# KiCad board 2025_bsides_badge_v1.kicad_pcb (continued)
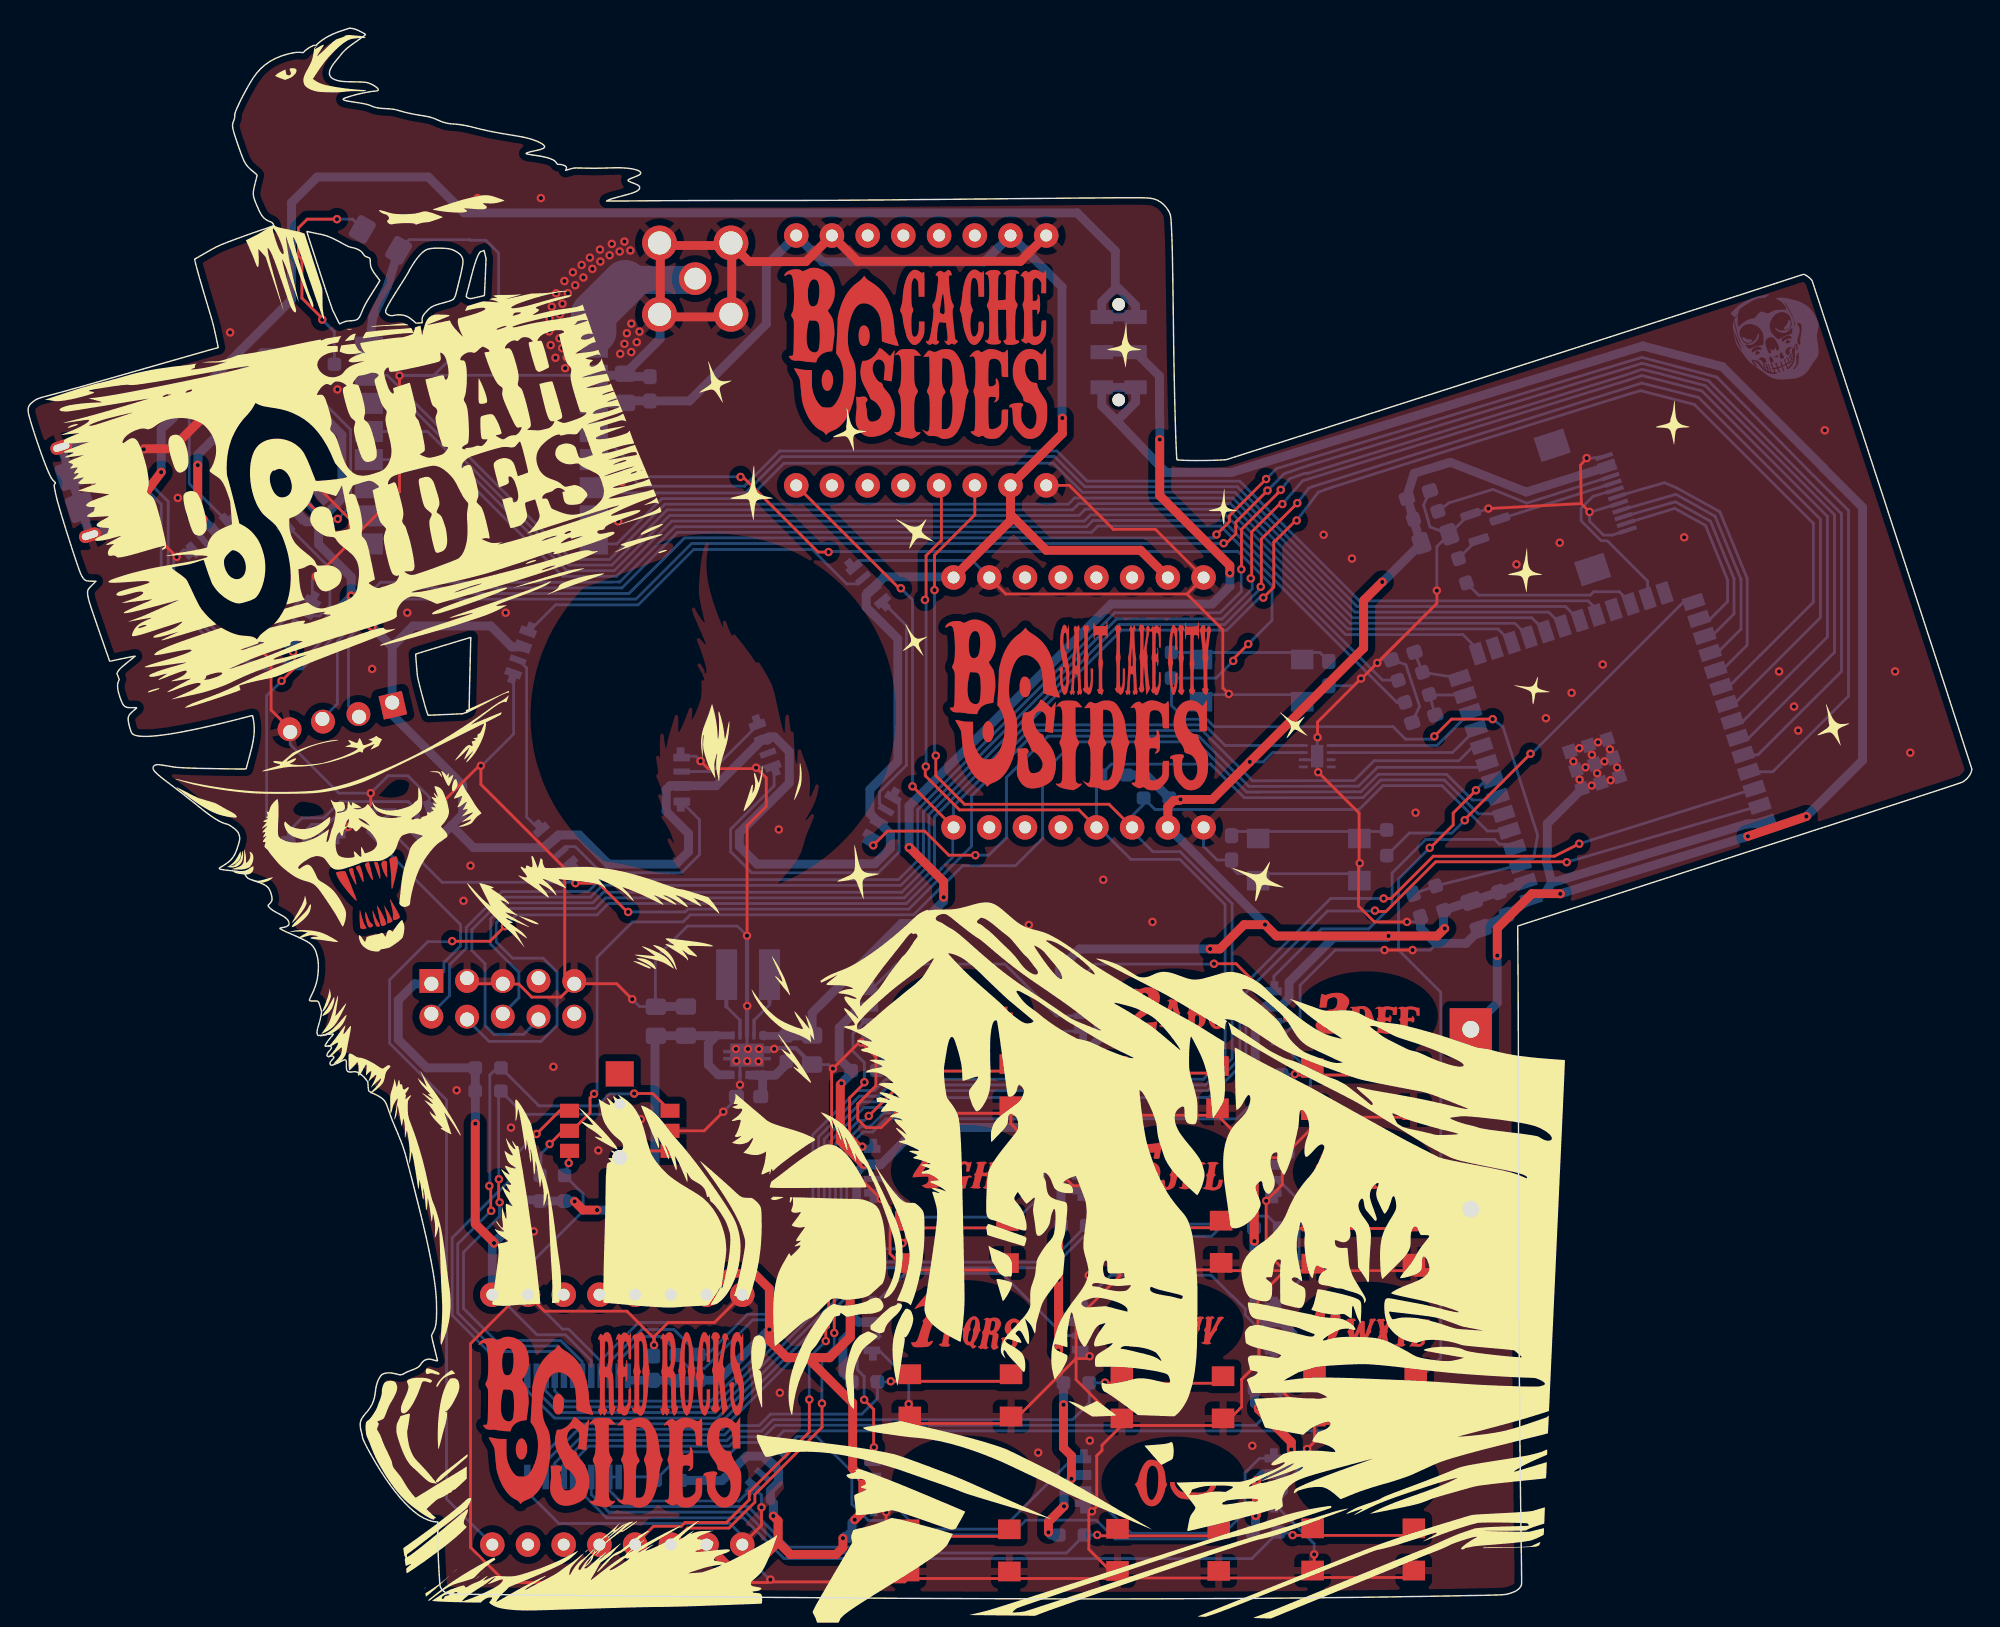
[diagram p0: board, top side]
## Nets
+3V3: C1.1 C2.1 C3.1 C5.1 C6.1 C10.1 C11.1 C15.1 C16.1 D1.2 D2.2 D3.2 D4.2 D5.2 D6.2 D7.2 D8.2 D9.2 D10.2 D11.2 D12.2 D13.2 D14.2 D15.2 D16.2 D17.2 D18.2 D19.2 D20.2 D21.2 D22.2 D23.2 D24.2 D25.2 J1.10 J1.11 J2.1 J3.1 MB1.1 MB1.7 MB1.15 MB2.1 MB2.7 MB2.15 MB3.1 MB3.7 MB3.15 R1.1 R2.1 R3.1 R4.1 R5.1 R6.1 R7.1 R8.1 R9.1 R11.1 R12.2 R13.2 R15.1 R16.1 R17.1 R18.1 R19.1 R20.1 R21.1 R22.1 R26.2 R27.1 R28.1 R29.1 R30.1 U1.1 U1.10 U2.2 U3.7 U4.3 U7.24
GND: BT1.2 C1.2 C2.2 C3.2 C4.2 C5.2 C6.2 C7.2 C8.2 C9.2 C10.2 C11.2 C12.2 C13.2 C14.2 C15.2 C16.2 D1.4 D2.4 D3.4 D4.4 D5.4 D6.4 D7.4 D8.4 D9.4 D10.4 D11.4 D12.4 D13.4 D14.4 D15.4 D16.4 D17.4 D18.4 D19.4 D20.4 D21.4 D22.4 D23.4 D24.4 D25.4 D27.1 J1.1 J1.5 J1.12 J2.4 J3.3 J3.5 J3.9 J4.5 J4.6 J5.G1 J5.G2 J5.G3 J5.G4 MB1.2 MB1.8 MB1.16 MB2.2 MB2.8 MB2.16 MB3.2 MB3.8 MB3.16 Q1.2 S1.5 SW1.2 SW2.2 SW3.2 SW4.2 SW5.2 SW6.2 SW7.2 SW8.2 SW9.1 SW10.1 SW11.2 SW12.2 SW13.2 SW14.2 U1.3 U1.9 U1.11 U2.1 U2.40 U2.41 U3.6 U3.9 U4.2 U4.9 U4.16 U7.2 U7.3 U7.12 U7.21
VBUS: J4.1 SW15.1
ANT: J5.1 U4.1
BATT: BT1.1 SW15.3
BSIDES_EYE_LED_ARRAY: D20.1 U2.10
BUTTON_INT: R30.2 U2.8 U7.1
BUTTON_LED_ARRAY: D1.1 U2.4
BUTTON_SCL: R29.2 U2.38 U7.22
BUTTON_SDA: R28.2 U2.39 U7.23
EN: C4.1 R9.2 R23.2 U2.3 U4.4
GPIO0: R14.2 U2.27
LCD_A0: J1.2 U2.28
LCD_CS: J1.6 U2.31
LCD_LEDK: R10.1 U2.24
LCD_RST: J1.7 U2.25
LCD_SCK: J1.3 U2.29
LCD_SDA: J1.4 U2.30
LORA_BUSY: U2.22 U4.5
LORA_CLK: U2.15 U4.12
LORA_DI01: U2.21 U4.6
LORA_DI03: U2.20 U4.8
LORA_MISO: U2.17 U4.13
LORA_MOSI: U2.18 U4.14
LORA_NSS: U2.19 U4.15
MB_CLOCK: MB1.9 MB2.9 MB3.9 U3.8
MB_CLOCK_H: U2.12 U3.1
MB_CLOCK_L: U2.11 U3.2
MB_SCL: MB1.13 MB2.13 MB3.13 R13.1 U2.6
MB_SDA: MB1.14 MB2.14 MB3.14 R12.1 U2.5
MOON_LED_ARRAY: D14.1 U2.9
NAV_BUTTON_CENTER: R26.1 S1.2 U2.7
RXD0: J2.2 U2.36
TCK: J3.4 U2.32
TDI: J3.8 U2.34
TDO: J3.6 U2.33
TMS: J3.2 U2.35
TXD0: J2.3 U2.37
USB_N: C13.1 R25.1 U2.13
USB_P: C12.1 R24.1 U2.14
Net-(C7-Pad1): C7.1 R14.1 SW9.2
Net-(C9-Pad1): C9.1 R23.1 SW10.2
Net-(D1-DOUT): D1.3 D2.1
Net-(D2-DOUT): D2.3 D3.1
Net-(D3-DOUT): D3.3 D4.1
Net-(D4-DOUT): D4.3 D5.1
Net-(D5-DOUT): D5.3 D6.1
Net-(D6-DOUT): D6.3 D7.1
Net-(D7-DOUT): D7.3 D8.1
Net-(D8-DOUT): D8.3 D9.1
Net-(D10-DIN): D9.3 D10.1
Net-(D10-DOUT): D10.3 D11.1
Net-(D11-DOUT): D11.3 D12.1
Net-(D12-DOUT): D12.3 D13.1
Net-(D14-DOUT): D14.3 D15.1
Net-(D15-DOUT): D15.3 D16.1
Net-(D16-DOUT): D16.3 D17.1
Net-(D17-DOUT): D17.3 D18.1
Net-(D18-DOUT): D18.3 D19.1
Net-(D20-DOUT): D20.3 D21.1
Net-(D21-DOUT): D21.3 D22.1
Net-(D22-DOUT): D22.3 D23.1
Net-(D23-DOUT): D23.3 D24.1
Net-(D24-DOUT): D24.3 D25.1
Net-(D27-A): D27.2 R27.2
Net-(J1-Pad9): J1.9 R11.2
Net-(J4-D+): J4.3 R24.2
Net-(J4-D-): J4.2 R25.2
Net-(Q1-B): Q1.1 R10.2
Net-(Q1-C): J1.8 Q1.3
Net-(SW15-B): C8.1 R31.1 SW15.2 U1.5
Net-(U1-EN): C14.1 R31.2 U1.6 U1.7 U1.8
Net-(U1-L1): L1.1 U1.4
Net-(U1-L2): L1.2 U1.2
Net-(U7-P00): R1.2 SW1.1 U7.4
Net-(U7-P01): R2.2 SW2.1 U7.5
Net-(U7-P02): R3.2 SW3.1 U7.6
Net-(U7-P03): R4.2 SW4.1 U7.7
Net-(U7-P04): R5.2 SW5.1 U7.8
Net-(U7-P05): R6.2 SW6.1 U7.9
Net-(U7-P06): R7.2 SW7.1 U7.10
Net-(U7-P07): R8.2 SW8.1 U7.11
Net-(U7-P10): R15.2 SW11.1 U7.13
Net-(U7-P11): R16.2 SW12.1 U7.14
Net-(U7-P12): R17.2 SW13.1 U7.15
Net-(U7-P13): R18.2 SW14.1 U7.16
Net-(U7-P14): R19.2 S1.1 U7.17
Net-(U7-P15): R20.2 S1.4 U7.18
Net-(U7-P16): R21.2 S1.6 U7.19
Net-(U7-P17): R22.2 S1.3 U7.20

Pads without a net: D13 3; D19 3; D25 3; J1 S1 S2; J3 7 10; J4 4; MB1 3 4 5 6 10 11 12; MB2 3 4 5 6 10 11 12; MB3 3 4 5 6 10 11 12; U2 16 23 26; U3 3 4 5; U4 7 10 11

## Via types
v1: diameter 0.6, hole 0.3, Top to Bottom, 287 vias

## Routing (per net, layer and track width the routed paths; a pad name or vN(x,y) marks a point on that pad's centre or on a via; arc(x,y) is an arc through that point)
+3V3: length 692.2
  Top w0.2: v1(57.85,36.68) 57.76,36.6 ; 59.26,8.66 59.26,8.63 v1(59.25,8.62) ; v1(73.54,31.09) 73.54,31.11 ; 52.73,18.94 52.84,19.04 v1(52.71,19.17) ; 54.96,17.17 55.42,17.17 ; 31.73,33.87 31.79,33.81 v1(31.8,33.81)
  Top w0.625: v1(52.71,19.17) 52.71,22.07 51.62,23.17 49.77,23.17 MB3.7
  Top w0.635: v1(59.43,26.24) 58.46,25.27 58.46,20.27 v1(58.47,20.26) ; v1(57.95,4.32) 57.95,3.65 57.46,3.17 54.21,3.17 53.34,4.04 ; v1(87.3,30.54) 87.2,30.44 87.2,25.47 v1(87.21,25.46) ; v1(96.31,72.35) 94.98,71.03 94.98,67.65 v1(86.88,59.55) 84.21,56.88 v1(81.96,56.88) ; v1(53,5.9) 53.34,5.56 53.34,4.04 ; v1(74.2,8.54) 74.2,10.18 73.64,10.74 v1(73.64,13.82) ; v1(59.25,8.62) 59.36,8.51 59.36,6.21 v1(58.79,5.63) ; 59.26,8.66 58.64,9.28 58.64,13.94 55.42,17.17 ; MB1.7 79.12,74.61 72.4,74.61 69.87,77.15 ; v1(72.34,37.8) 72.09,37.54 72.09,32.55 v1(72.13,32.52) 73.54,31.11 ; v1(59.47,30.92) 59.42,30.92 57.76,32.58 57.76,36.6 ; v1(73.67,6.59) 72.56,5.48 v1(72.56,4.73) ; v1(87.34,36.5) 87.34,35.47 v1(88.66,34.15) ; 69.87,77.15 MB2.15 73.55,82.91 v1(73.55,84.02) ; 69.87,77.15 69.87,76.72 MB1.1 ; v1(33.13,25.31) 33.13,25.35 31.8,26.69 31.8,33.8 ; v1(38.86,28.28) 39.48,27.67 v1(40.46,27.67) ; v1(87.35,8.43) 87.35,5.98 v1(87.29,5.92) ; MB1.15 81.06,56.37 81.49,56.81 81.9,56.81 ; v1(22.98,71.37) 22.98,70.65 v1(24.46,69.17) ; v1(100.75,47.7) 100.22,47.17 v1(96.75,47.17) 88.77,47.17 v1(87.97,47.97) 86.48,47.97 84.75,46.24 v1(84.07,46.24) ; v1(12.45,76.82) 12.06,77.21 v1(12.06,80.67) ; v1(73.26,17.66) 73.29,17.69 v1(73.29,22.7) 73.29,25.66 v1(73.31,25.69) ; MB3.15 49.95,2.17 51.46,2.17 53.34,4.04 ; v1(87.5,13.61) 87.5,13.49 89.83,11.15 v1(89.83,10.63) ; v1(73.54,31.09) 73.48,31.09
  Top w0.653: v1(58.47,20.26) 58.47,18.63 57.01,17.17 53.96,17.17 52.71,18.42 v1(52.71,19.17)
  Bottom w0.2: 46.04,15.56 R28.1 ; 52.68,9.81 D13.2 53.29,9.2 ; 47.97,15.81 R29.1 47.68,15.52 ; v1(73.54,31.09) 73.61,31.09 73.64,31.05 ; D22.2 21.28,69.26 ; 52.64,61.15 D19.2 ; 44.47,15.55 C1.1 ; 26.61,54.96 D20.2 26.1,56.11 ; D1.2 88.91,42.11 ; 42.15,85.06 42.33,85.24 ; 58.53,37.37 R18.1 58.26,37.87 ; 106.19,50.89 106.32,51.03 U2.2 ; 26.1,56.11 24.8,56.11 24.16,55.48 24.16,54.57 30.76,47.97 30.76,46.46 29.57,45.27 29.57,44.66 J3.1 ; 26.1,56.11 26.07,56.15 22.34,56.15 21.3,55.11 20.17,55.11 19.84,54.78 D21.2 ; J1.11 J1.10 ; 89.15,30.88 D6.2 ; 31.75,33.79 31.77,33.81 v1(31.8,33.81) ; 100.71,49.07 100.71,49.03 R9.1 ; U7.24 42.98,15.55 ; v1(86.88,59.55) 87.85,59.55 88.51,60.21 U3.7 ; 69,96.13 MB2.7 ; v1(73.55,84.02) 73.46,84.1 ; 87.18,24.17 87.18,24.84 ; 81.16,54.99 MB1.15 ; 43.95,85.24 43.95,85.24 ; 31.8,36.14 R21.1 ; 73.3,38.36 73.36,38.42 73.38,38.42 73.22,38.42 ; 89.15,19.67 D7.2 88.35,19.67 ; 59.47,30.9 D4.2 59.81,30.9 ; 49.89,37.29 49.89,37.29 ; 36.33,28.39 R26.2 ; 33.01,22.12 MB3.1 ; 59.25,8.62 v1(59.25,8.62) ; D17.2 36.81,53.45 ; 75.55,42.49 D2.2 ; 38.15,28.31 R22.1 ; 65.65,72.67 65.88,72.9 ; D3.2 59.6,42.11 ; v1(12.45,76.82) 12.45,76.76 ; 58.09,4.46 v1(57.95,4.32) ; 38.83,28.31 v1(38.86,28.28)
  Bottom w0.55: 49.99,40.09 48.96,40.09
  Bottom w0.625: 33.96,26.17 33.13,25.33 v1(33.13,25.31) ; 33.96,26.17 34.69,26.89 R19.1 36.33,28.39 ; 33.96,26.17 33.01,25.21 MB3.1 ; v1(52.71,19.17) 52.71,19.17 49.1,15.56 R29.1 ; C1.1 46.04,15.56 ; R26.2 38.15,28.31 ; R28.1 47.68,15.52 ; 42.98,15.55 44.47,15.55
  Bottom w0.635: R7.1 87.18,20.45 87.96,19.67 88.35,19.67 ; 88.91,42.11 89.05,42.11 89.68,42.74 89.68,43.88 92.85,47.05 96.63,47.05 v1(96.75,47.17) ; v1(87.35,8.43) 87.79,8.87 89.14,8.87 89.83,9.57 v1(89.83,10.63) ; 59.6,42.11 59.16,42.11 57.69,40.65 57.69,38.43 58.26,37.87 ; 16.21,85.54 12.08,81.42 12.08,80.67 ; 16.21,85.54 D24.2 15.27,86.48 15.27,87.29 16.65,88.67 19.14,88.67 R27.1 ; 16.21,85.54 19.58,85.54 22.31,82.81 22.31,78.29 20.66,76.63 ; D2.2 74.15,42.49 73.34,43.3 73.34,44.81 74.78,46.24 v1(84.07,46.24) ; C2.1 R9.1 100.67,47.63 ; C2.1 C3.1 U2.2 ; C2.1 102.56,49.54 102.42,49.54 ; R2.1 72.75,4.54 v1(72.56,4.73) ; 45.65,57.85 45.38,57.58 45.38,56.04 46.96,54.45 46.96,53.17 46.08,52.28 41.26,52.28 39.19,54.35 37.71,54.35 D17.2 ; 45.65,57.85 D18.2 ; 45.65,57.85 48.92,57.85 52.21,61.15 D19.2 ; v1(40.46,27.67) 42.23,27.67 44.58,25.31 ; 73.64,31.05 D5.2 74.29,31.05 73.46,30.23 73.46,29.17 73.46,29.16 R8.1 73.31,26.42 v1(73.31,25.69) ; MB1.15 81.08,54.89 87.97,48 v1(87.97,47.97) ; v1(59.47,30.92) 59.47,30.9 59.47,30.9 58.92,30.35 58.92,27.97 60.16,26.73 R15.1 59.92,26.73 v1(59.43,26.24) ; v1(88.66,34.15) 88.66,34.14 89.75,33.05 89.75,31.6 89.03,30.88 D6.2 87.64,30.88 v1(87.3,30.54) ; 36.81,53.45 31.68,53.45 30.11,55.02 ; R13.2 79.52,58.62 R12.2 81.26,56.88 v1(81.96,56.88) ; v1(53,5.9) 53,6.83 52.79,7.03 52.79,7.73 53.38,8.32 53.38,9.11 53.29,9.2 ; D10.2 59.25,8.62 ; 38.15,28.31 38.83,28.31 ; D11.2 74.46,8.81 73.67,8.02 v1(73.67,6.59) ; v1(87.5,13.61) 87.22,13.9 R4.1 88.43,16.17 88.88,16.17 89.96,17.25 89.96,18.85 89.15,19.67 ; 22.98,71.67 v1(22.98,71.37) ; 22.98,71.67 22.98,71.31 20.77,69.09 19.33,69.09 D22.2 ; 22.98,71.67 22.98,72.7 20.66,75.02 20.66,76.63 ; 12.45,76.76 D25.2 ; 98.03,78.35 98.58,80.08 100.49,80.67 100.94,80.81 101.17,80.86 106.54,78.75 111.85,80.4 112.61,80.65 ; 52.11,61.11 52.6,61.11 52.81,61.32 53.09,61.32 54.14,60.28 54.14,58.06 50.58,54.5 50.58,53.55 51.85,52.28 59.31,52.28 59.33,52.3 60.23,52.3 61.32,53.4 61.32,54.42 D14.2 59.87,55.88 59.87,57.59 61.85,59.57 61.85,68.31 59.6,70.56 59.6,71.43 D15.2 60.9,72.73 65.76,72.73 MB1.1 ; v1(58.79,5.63) 58.59,5.44 R1.1 58.09,4.46 ; R17.1 73.3,37.98 73.3,38.36 72.81,37.87 72.42,37.87 v1(72.34,37.8) ; 43.95,85.24 47.03,85.24 52.5,90.7 52.5,94.88 MB2.1 56.5,95.13 67.99,95.13 MB2.7 73.53,93.34 73.53,84.17 ; 25.89,67.74 24.47,69.16 ; 25.89,67.74 27.38,69.23 32.9,69.23 34.4,67.73 D16.2 ; 25.89,67.74 J2.1 25.89,62.91 30.9,57.9 30.9,55.81 30.11,55.02 ; U4.3 42.15,85.06 ; v1(73.26,17.66) 73.26,15.75 R5.1 73.64,13.82 v1(73.64,13.82) ; 75.55,42.49 76.11,41.94 76.11,39.79 75.39,39.07 74.03,39.07 73.38,38.42 ; v1(87.34,36.5) 87.34,37.29 R16.1 87.27,37.36 87.27,41.4 88.07,42.19 88.52,42.19 ; 49.89,37.29 49.09,37.29 48.37,38 48.37,39.5 48.96,40.09 48.94,40.07 C16.1 44.66,40.07 C15.1 44.58,40 44.58,25.31 ; C6.1 96.34,72.35 v1(96.31,72.35) ; 44.58,25.31 MB3.7 ; D9.2 59.05,19.69 v1(58.47,20.26) 58.48,20.26 58.48,18.92 57.95,18.38 57.95,16.08 R6.1 ; D13.2 52.33,10.16 51.09,10.16 49.35,8.41 48.67,8.41 48.71,8.41 48.73,8.43 R30.1 ; 30.11,55.02 29.25,54.16 27.94,54.16 26.61,55.5 D20.2 ; J3.1 27.49,43.77 26.32,42.6 26.32,39.8 28.34,37.78 R20.1 31.8,36.14 31.81,36.13 31.81,33.85 ; 20.66,76.63 19.76,76.63 D23.2 ; 42.33,85.24 43.95,85.24 ; v1(72.13,32.52) 71.1,33.54 63.29,33.54 60.64,30.9 D4.2 ; R3.1 87.29,4.96 v1(87.29,5.92) ; 98.79,75.92 98.28,77.7 ; v1(73.29,22.7) 73.29,20.34 73.88,19.75 D8.2 ; v1(57.85,36.68) 58.53,37.37
GND: length 967.8
  Top w0.2: v1(98.06,48.17) 95.74,48.17 94.62,49.29 94.62,52.25 v1(94.71,52.34) 94.66,52.39 94.66,55.9 v1(91.75,58.82) ; v1(29.55,56.64) 29.55,56.75 32.07,59.28 v1(32.2,59.28) 32.2,57.95 38.33,51.82 v1(38.33,51.61) 38.17,51.44 38.17,44.44 J3.9 ; v1(16.49,67.56) 17.27,66.77 17.27,63.25 18.64,61.89 J2.4 ; 91.35,1.52 91.46,1.63 v1(91.46,3.17) ; 91.35,1.52 98.55,1.52 ; 91.35,1.52 91.32,1.49 77.47,1.49 ; 77.47,1.49 75.44,3.53 75.44,6.01 v1(75.66,6.23) 76,6.57 76,10.18 76.37,10.56 76.37,10.93 77.78,12.34 ; 77.47,1.49 77.44,1.45 62.58,1.45 ; J3.9 37.89,42.82 35.82,42.82 34.89,43.74 33.32,43.74 ; J3.9 41.86,43.77 v1(42.96,42.67) ; v1(75.49,17.27) 75.33,17.1 74.53,17.1 ; 97.49,68.14 95.95,66.6 v1(95.95,66.59) ; 97.49,68.14 94.84,65.48 v1(94.8,65.48) 91.7,62.39 v1(91.7,61.3) ; 97.49,68.14 100.19,70.83 v1(100.19,71.74) ; MB3.8 48.81,19.67 45.51,19.67 44.52,18.67 v1(44.52,18.06) 44.52,18.54 42.59,20.47 36.73,20.47 MB3.2 ; 62.58,1.45 62.34,1.21 52.95,1.21 v1(52.79,1.38) 52.58,1.17 33.96,1.17 31.46,3.67 31.46,18.17 34.94,21.64 MB3.2 ; 62.58,1.45 60.77,3.26 60.77,4.68 61.02,4.93 v1(61.02,6.18) ; MB3.16 52.16,5.23 v1(52.16,6.51) ; 91.33,34.27 91.33,33.53 89.19,31.4 ; 91.33,34.27 98.53,34.27 ; 91.33,34.27 91.2,34.4 v1(91.2,35.81) ; 82.42,71.5 84.96,68.95 84.96,64.82 v1(85.39,64.39) ; 82.42,71.5 MB1.8 80.17,76.09 77.18,76.09 74.05,79.22 MB2.16 ; 82.42,71.5 69.53,71.5 MB1.2 ; 71.46,32.23 69.89,33.8 69.89,34.55 61.68,34.55 60.66,33.53 59.6,33.53 59,34.13 59,35.21 60.3,36.51 60.3,38.55 v1(59.26,39.59) 59.09,39.59 v1(57.24,37.73) 57.14,37.64 57.14,31.97 v1(60.64,28.47) 61.29,27.81 61.29,24.56 62.45,23.4 69.65,23.4 ; 71.46,32.23 71.46,38.17 v1(72.96,39.67) ; 71.46,32.23 74.29,29.4 v1(75.86,29.4) 75.96,29.5 75.96,32.41 77.38,33.83 77.38,34.41 84.58,34.41 87.6,31.4 89.19,31.4 ; v1(8.46,75.17) 9.53,75.17 v1(10.56,74.14) ; v1(22.89,75.24) 22.89,75.15 20.49,72.75 v1(20.46,72.75) ; v1(22.89,75.24) 26.41,78.77 v1(26.41,87.03) ; v1(22.89,75.24) 22.89,76.81 20.56,79.15 v1(20.24,79.15) ; 77.78,12.34 74.53,15.6 74.53,17.1 ; 77.78,12.34 84.98,12.34 86.3,13.66 86.3,15.62 87.53,16.84 v1(87.53,18.17) ; 91.49,12.48 87.53,16.44 v1(87.53,18.17) ; 91.49,12.48 98.69,12.48 ; 91.49,12.48 91.49,11.19 v1(90.96,10.67) ; 91.49,12.48 91.35,12.34 ; 89.37,23.35 88.05,24.67 v1(88.05,28.32) 89.19,29.47 89.19,31.4 ; 89.37,23.35 87.46,21.45 87.46,18.23 v1(87.53,18.17) ; 89.37,23.35 91.36,23.35 ; 74.53,17.1 74.53,19.87 77.64,22.99 77.64,23.41 85.21,23.41 85.27,23.35 91.36,23.35 ; 74.53,17.1 69.91,12.48 62.71,12.48 62.71,13.78 v1(62.62,13.86) ; MB3.2 35.55,22.07 ; v1(110.84,81.17) 110.4,80.66 110.46,77.92 ; v1(96.46,46.17) v1(98.46,46.17) ; 43.89,91.3 44.94,91.3 ; 8.26,81.84 8.26,81.82 v1(8.23,81.79) ; S1.5 48.08,33.3 v1(49.44,34.66) ; 110.46,77.92 110.45,77.93 v1(103.85,77.58) ; 110.46,77.92 v1(111.05,77.34) ; v1(110.32,60.53) 110.08,60.53 ; v1(24.37,57.33) 24.37,56.52 22.77,54.92 v1(22.76,54.92) ; v1(47.82,59.61) 48.36,59.07 51.71,59.07 v1(51.77,59.14) 52.49,58.42 52.49,56.38 51.13,55.01 v1(51.13,47.18) ; 91.36,23.35 98.56,23.35 98.68,23.24 ; 102.33,27.46 BT1.2 ; 33.76,43.66 J3.5 31.54,43.77 31.23,44.08 31.23,43.68 ; 31.28,44.16 31.28,43.63
  Top w0.635: 8.26,81.84 10.23,81.84 v1(12.77,84.38) ; 102.33,27.46 102.33,25.43 100.14,23.24 98.68,23.24 ; MB2.8 70.57,95.17 59,95.17 MB2.2 55.31,95.15 51.26,95.15 50.02,96.38 ; 50.04,91.21 44.96,91.21 44.96,96.29 50.04,96.29 50.04,91.21
  Bottom w0.2: J4.6 8.07,75.17 v1(8.46,75.17) ; C12.2 97.37,66.82 ; C12.2 96.18,66.82 v1(95.95,66.59) ; C12.2 97.98,66.47 98.96,63.52 C13.2 98.77,62.69 ; v1(75.86,29.4) 75.42,28.96 D5.4 ; 35.46,21.56 MB3.2 37.68,19.52 37.68,19.51 38,19.19 38.44,19.19 40.7,16.93 U7.21 40.7,16.95 43.42,19.67 48.81,19.67 MB3.8 ; MB1.2 67.14,73.88 59.1,73.88 D15.4 ; v1(42.96,42.67) 43.48,42.15 44.66,42.15 C15.2 44.65,42.72 44.61,42.75 44.61,45.59 46.89,47.87 50.44,47.87 v1(51.13,47.18) ; U7.2 U7.3 41.35,7.7 42.09,6.97 50.56,6.97 D13.4 52.16,7.38 v1(52.16,6.51) ; v1(44.52,18.06) 44.47,18.02 C1.2 ; v1(91.46,3.17) 91.46,3.92 D12.4 88.69,6.78 89.51,7.59 89.51,8.37 90.92,9.78 90.92,10.62 v1(90.96,10.67) ; v1(20.46,72.75) 20.21,72.51 D22.4 19.38,71.08 18.79,70.48 18.79,70.22 16.31,67.74 ; D4.4 60.36,28.55 60.56,28.55 v1(60.64,28.47) ; v1(51.14,38.27) 51.19,38.32 v1(51.19,39.13) 51.13,39.2 U1.3 ; U2.41 U2.41 U2.41 ; U2.41 U2.41 ; U2.41 U2.41 U2.41 ; v1(94.71,52.34) 94.68,52.31 94.68,51.6 86.03,51.6 85.59,52.04 C7.2 84.56,52.57 83.6,53.53 MB1.16 ; U2.41 U2.41 ; U2.41 U2.41 ; U2.41 U2.41 ; C14.2 50.63,35.99 U1.9 50.63,38.19 U1.11 51.46,39.02 ; C14.2 50.37,35.59 v1(49.44,34.66) ; C14.2 50.35,35.74 ; U2.41 U2.41 U2.41 ; v1(98.46,46.17) 99.72,46.17 100.19,46.64 ; 5.74,80.88 J4.5 v1(8.23,81.79) ; U2.41 U2.41 U2.41 ; C6.2 102.48,77.16 Q1.2 ; C6.2 99.7,76.27 99.25,77.83 C5.2 ; C6.2 100.19,74.87 v1(100.19,71.74) ; 107.35,49.92 107,49.92 U2.1 ; v1(61.02,6.18) 60.68,6.52 D10.4 ; v1(22.76,54.92) 22.76,54.82 22.27,54.33 D21.4 ; v1(110.84,81.17) 110.84,81.12 J1.12 ; D3.4 59.48,39.59 v1(59.26,39.59) ; D27.1 27.1,96.71 31.42,96.71 31.46,96.67 32.56,96.67 33.46,95.76 33.46,91.67 28.83,87.03 v1(26.41,87.03) ; U3.6 91.42,59.7 U3.9 ; v1(75.66,6.23) 75.17,6.71 D11.4 ; v1(96.46,46.17) 92.96,46.17 90.46,43.67 90.46,41.3 89.18,40.02 D1.4 91.2,37.46 v1(91.2,35.81) ; Q1.2 103.2,77.16 ; Q1.2 v1(103.85,77.58) ; v1(47.82,59.61) 47.48,59.95 D18.4 ; D2.4 73.69,40.4 v1(72.96,39.67) ; v1(32.2,59.28) 32.26,59.28 34.53,61.54 D16.4 ; 100.08,46.68 102.31,46.68 C2.2 ; 23.88,89.06 U4.16 24.48,89.06 26.48,87.06 U4.2 40.69,87.06 ; 16.31,67.74 14.52,67.74 10.36,71.9 10.36,73.94 v1(10.56,74.14) 11.05,74.63 11.82,74.63 ; 16.31,67.74 16.49,67.56 v1(16.49,67.56) ; D14.4 61.94,56.67 61.94,53.14 60.46,51.67 51.46,51.67 49.96,53.17 49.96,54.76 53.05,57.84 D19.4 51.82,59.18 v1(51.77,59.14) ; 107.89,53.13 108.04,53.29 ; J1.1 112.65,75.69 112.04,75.69 111.05,76.68 v1(111.05,77.34) ; 20.74,78.93 20.74,78.61 D23.4 20.85,78.54 v1(20.24,79.15) ; 123.39,55.07 U2.40 ; v1(87.53,18.17) 88.13,17.57 D7.4 ; 83.41,64.33 85.34,64.33 v1(85.39,64.39) 85.45,64.33 91.87,64.33 C9.2 94.28,64.97 v1(94.8,65.48) 94.8,65.34 ; U3.9 91.68,61.27 v1(91.7,61.3) ; U3.9 91.68,58.89 v1(91.75,58.82) ; D9.4 60.61,17.59 62.62,15.58 v1(62.62,13.86) ; 29.51,56.62 29.48,56.58 28.83,56.58 D20.4 28.53,56.38 28.53,57.05 27.01,58.57 25.6,58.57 v1(24.37,57.33) 22.1,57.33 18.64,60.79 J2.4 ; C4.2 98.68,48.17 v1(98.06,48.17) ; U7.12 35.5,7.6 37.74,5.37 40.97,5.37 49.92,5.37 50.79,4.49 MB3.16 50.79,3.32 52.74,1.38 v1(52.79,1.38) ; v1(57.24,37.73) 56.95,38.02 C8.2 ; v1(75.49,17.27) 75.27,17.27 D8.4 ; v1(88.05,28.32) 88.16,28.32 D6.4 ; J1.5 111.05,77.3 ; v1(38.33,51.61) 38.63,51.9 D17.4 38.32,52.32 ; 43.95,86.96 43.95,86.96 ; 24.19,75.06 U4.9 23.07,75.06 ; 44.95,91.3 44.94,91.3 ; 42.24,87.06 42.33,86.96
  Bottom w0.3: C8.2 54.59,39.18 51.62,39.18 51.46,39.02 ; U1.3 51.13,41.37 51.13,41.37 v1(51.13,47.18)
  Bottom w0.635: 42.33,86.96 43.95,86.96 ; C4.2 99.03,47.73 100.08,46.68 ; 100.19,46.64 102.28,46.64 C2.2 C3.2 U2.1 107.9,50.21 108.33,50.94 122.22,55.13 U2.40 ; C16.2 44.66,42.15 ; 5.2,80.96 J4.6 J4.6 J4.6 J4.6 J4.6 J4.6 ; U4.2 42.24,87.06 ; 44.95,91.3 44.95,89.66 C10.2 ; U2.41 108.04,55.16 108.04,53.29 107.97,52.5 108.34,51.05 ; D27.1 25.55,93.39 24.52,91.22 U4.16 ; D24.4 v1(12.77,84.38)
  vias: v1(4.78,79.31) v1(10.64,78.33) v1(13.46,72.67) v1(14.37,90.11) v1(22,86.05) v1(24.46,66.17) v1(26.96,70.17) v1(27.06,83.89) v1(27.46,82.17) v1(30.48,36.19) v1(30.96,49.67) v1(31.46,52.17) v1(31.96,99.67) v1(33.96,70.17) v1(34.34,33.53) v1(35.97,26.14) v1(36.46,99.67) v1(37.09,91.08) v1(37.06,90.18) v1(37.16,89.2) v1(37.24,91.94) v1(37.36,37.86) v1(37.5,88.31) v1(37.55,92.89) v1(37.78,90.54) v1(37.79,89.69) v1(37.82,91.39) v1(38,92.15) v1(37.98,88.99) v1(38.14,93.76) v1(38.19,87.56) v1(38.31,88.33) v1(38.39,92.9) v1(38.74,94.39) v1(38.91,93.46) v1(39.36,94.91) v1(39.49,94.02) v1(39.95,95.43) v1(40.13,94.63) v1(40.55,31.91) v1(40.67,96) v1(40.7,95.15) v1(41.35,95.6) v1(41.51,96.41) v1(41.96,76.67) v1(42.07,95.87) v1(42.11,88.59) v1(42.23,79.47) v1(42.41,96.57) v1(42.41,89.29) v1(42.58,90.05) v1(42.83,95.94) v1(42.9,90.73) v1(42.89,88.71) v1(43.28,89.41) v1(43.48,90.17) v1(43.58,34.13) v1(50.34,39.13) v1(50.37,38.28) v1(50.63,36.58) v1(51.14,42.18) v1(51.98,39.13) v1(51.95,38.25) v1(53.06,39.13) v1(53.39,54.74) v1(53.46,14.67) v1(65.38,46.83) v1(71.17,47.95) v1(71.83,10.41) v1(75.43,23.02) v1(75.51,11.26) v1(76.46,51.17) v1(79.96,48.17) v1(87.06,10.9) v1(92.14,75.71) v1(93.41,14.01) v1(94.15,74.02) v1(95.11,24.4) v1(98.67,55.94) v1(105.85,73.61) v1(107.95,62.66) v1(108.93,75.14) v1(109.77,64.46) v1(109.9,59.59) v1(110.34,58.29) v1(110.76,59.17) v1(111.2,57.87) v1(111.21,60.06) v1(111.59,58.74) v1(111.65,60.95) v1(111.98,66.48) v1(112.1,59.59) v1(112.5,60.45) v1(112.54,58.24) v1(113.01,59.15) v1(117.78,75.53) v1(124.53,65.99) v1(125.59,63.49) v1(125.88,61.78) v1(127.78,83.15) v1(132.78,65.99) v1(133.86,60.21)
VBUS: length 99.9
  Top w0.635: v1(9.46,80.17) v1(7.96,78.17)
  Bottom w0.2: 77.32,93.24 77.55,93.24
  Bottom w0.635: 77.55,93.24 78.76,92.03 SW15.1 SW15.1 76.36,92.28 77.32,93.24 77.32,95.9 74.61,98.62 31.01,98.62 28.46,101.17 20.56,101.17 18.74,99.34 18.74,98.79 18.73,98.78 18.73,95.43 18.73,95.43 18.73,92.43 10.05,83.75 9.46,83.25 v1(9.46,80.17) ; v1(7.96,78.17) 6.58,78.17 6.57,78.15 ; 6.57,78.15 5.97,78.15 ; 6.57,78.15 6.57,78.38 ; 6.57,78.15 6.83,78.42
ANT: length 9.8
  Bottom w2: 42.64,93.84 47.48,93.84 ; 42.46,93.67 43,93.67
  Bottom w3.2: 42.46,93.67 40.23,91.43 40.23,90.17 40.2,90.14
BATT: length 124
  Top w0.635: v1(104.48,45.77) 104.48,47.71 106.95,50.18 108.95,50.18 v1(108.96,50.17) ; v1(126.46,55.67) v1(122.31,54.26)
  Bottom w0.635: 77.43,83.81 76.36,84.88 SW15.3 SW15.3 78.76,85.14 77.43,83.81 ; 77.43,83.81 80.69,80.38 80.8,80.27 80.9,80.15 85.58,80.15 114.83,89.14 120.46,87.67 120.48,87.67 127.7,80.45 127.7,80.43 130.46,77.67 130.46,59.67 v1(126.46,55.67) ; v1(104.48,45.77) 104.48,42.41 BT1.1 ; v1(122.31,54.26) v1(108.96,50.17)
BSIDES_EYE_LED_ARRAY: length 91.5
  Top w0.2: v1(38.93,50.92) 40.57,50.92 42.61,48.87 v1(42.67,48.87)
  Bottom w0.2: v1(42.67,48.87) 46.72,48.87 46.92,49.07 62.64,49.07 65.36,51.8 65.36,51.82 67.1,53.56 67.1,57.14 71.73,61.78 83.5,61.78 87.08,58.21 87.24,58.21 94.31,58.22 95.72,59.63 101.76,59.63 102.81,60.69 U2.10 ; D20.1 25.56,54.86 29.44,50.99 38.86,50.99 v1(38.93,50.92) ; U2.10 103.34,60.65 ; U2.10 102.97,60.29 ; 103.29,60.69 103,60.69
BUTTON_INT: length 107
  Top w0.2: v1(99.68,53.44) 99.72,53.44 101.35,55.07 101.35,55.91 v1(102.97,57.53)
  Bottom w0.2: v1(102.97,57.53) 102.97,57.57 103.63,58.23 104.09,58.23 104.14,58.18 ; U7.1 44.34,8.68 R30.2 46.63,10.47 50.03,10.47 50.69,11.13 52.91,11.13 53.73,11.95 95.25,11.95 100.46,17.17 100.46,43.17 97.46,46.17 97.46,51.22 v1(99.68,53.44)
BUTTON_LED_ARRAY: length 24.9
  Bottom w0.2: 105.67,53.35 105.26,52.94 ; D1.1 88.6,44.3 91.96,47.67 95.33,47.67 97,49.34 97,51.64 99.39,54.04 104.29,54.04 104.64,53.69 105.48,53.69 U2.4 105.39,53.11
BUTTON_SCL: length 108.5
  Top w0.2: v1(110.31,53.73) 108.56,52.84 99.94,52.84 96.93,49.83 v1(96.4,49.83)
  Bottom w0.2: v1(110.31,53.73) U2.38 ; U7.22 41.35,16.87 43.65,19.17 45.93,19.17 R29.2 48.3,17.38 51.17,20.25 53.59,20.25 57.21,23.87 57.21,26.5 56.62,27.09 56.62,32.71 59.28,35.36 60.82,35.36 61.62,36.17 83.9,36.17 86.18,38.45 86.18,43.38 92.63,49.83 v1(96.4,49.83)
BUTTON_SDA: length 108.5
  Top w0.2: v1(109.43,52.42) 109.4,52.44 100.1,52.44 96.57,48.91 95.84,48.91 v1(95.79,48.97)
  Bottom w0.2: v1(95.79,48.97) 95.76,48.94 92.41,48.94 86.61,43.15 86.61,38.31 83.96,35.67 61.69,35.67 60.99,34.96 59.44,34.96 57.02,32.54 57.02,27.26 57.61,26.67 57.61,23.71 53.76,19.85 51.54,19.85 48.1,16.41 47.02,16.41 R28.2 46.08,17.68 45.09,18.67 43.72,18.67 42,16.95 U7.23 ; U2.39 v1(109.43,52.42)
EN: length 110.5
  Top w0.2: v1(85.71,66.73) 85.71,66.87 v1(86.77,67.93) ; v1(50.67,79.82) 50.84,79.82 56.18,74.48 v1(56.93,74.48) ; v1(100.01,61.37) 101.23,62.59 v1(104.16,62.59)
  Bottom w0.2: v1(56.93,74.48) 56.96,74.51 85.64,74.51 85.65,74.52 86.05,74.52 88.46,72.1 88.46,69.63 v1(86.77,67.93) ; v1(100.01,61.37) 99.8,61.17 97.96,61.17 97.07,62.06 84.35,62.06 83.84,62.58 82.3,62.58 81.31,63.57 R23.2 84.48,65.51 v1(85.71,66.73) ; R9.2 U2.3 107.08,52.75 107.36,54.33 104.89,62.04 v1(104.16,62.59) ; R9.2 C4.1 ; R9.2 100.1,51.01 ; v1(50.67,79.82) 50.65,79.84 43.8,79.84 40.58,83.06 U4.4
GPIO0: length 29.3
  Top w0.2: v1(106.85,60.13) 102.17,55.45 v1(102.17,55.4)
  Bottom w0.2: v1(106.85,60.13) 106.93,60.13 117.73,70.93 U2.27 ; R14.2 98.23,54.49 101.26,54.49 v1(102.17,55.4)
LCD_A0: length 14.4
  Bottom w0.2: J1.2 117.11,77.58 119.3,76.37 120.86,72.49 120.86,70.96 119.62,69.72 U2.28
LCD_CS: length 21.2
  Bottom w0.2: 120.32,66.2 120.12,66.2 U2.31 120.49,66.1 122.26,67.86 122.26,72.61 120.35,77.27 120.3,77.36 117.21,79.06 116.37,79.42 113.8,78.67 J1.6
LCD_LEDK: length 12.4
  Bottom w0.2: 113.88,70.94 113.16,71.66 111.35,71.66 111.11,71.42 103.15,71.42 R10.1
LCD_RST: length 11.4
  Bottom w0.2: U2.25 115.17,72.42 112.3,75.29 111.87,75.29 110.45,76.71 110.45,77.6 111.3,78.45 111.32,78.45 J1.7
LCD_SCK: length 16.4
  Bottom w0.2: J1.3 116.84,77.97 117,78.01 117.16,78.05 119.56,76.73 119.64,76.68 121.32,72.59 121.32,72.59 121.32,70.08 119.75,68.51 U2.29
LCD_SDA: length 18.5
  Bottom w0.2: J1.4 117.19,78.59 119.98,77.03 121.81,72.54 121.82,72.54 121.82,69 120.33,67.51 119.83,67.51 U2.30
LORA_BUSY: length 79.3
  Bottom w0.2: U2.22 111.55,70.4 110.94,71.01 94.68,71.01 86.16,79.53 75.31,79.53 73.17,81.67 53.44,81.67 50.94,79.17 43.57,79.17 41.68,81.06 U4.5 40.67,81.49 41.14,81.49
LORA_CLK: length 88.4
  Bottom w0.2: U4.12 29.73,81.06 38.03,72.76 41.85,72.76 45.78,76.69 75.12,76.69 75.56,77.13 85.17,77.13 93.69,68.61 102.04,68.61 103.1,67.55 U2.15
LORA_DI01: length 76.4
  Bottom w0.2: U4.6 40.61,78.69 51.02,78.69 53.61,81.27 73,81.27 75.15,79.13 86,79.13 94.52,70.61 109.34,70.61 U2.21 110.34,69.84
LORA_DI03: length 76.1
  Bottom w0.2: U4.8 41.86,75.06 45.08,78.29 51.24,78.29 53.75,80.8 72.91,80.8 74.98,78.73 85.83,78.73 94.35,70.21 108.14,70.21 U2.20
LORA_MISO: length 91.4
  Bottom w0.2: U4.13 28.41,83.06 38.31,73.16 41.68,73.16 45.61,77.09 74.74,77.09 75.18,77.53 85.33,77.53 93.85,69.01 104.54,69.01 U2.17 105.73,68.25
LORA_MOSI: length 93
  Bottom w0.2: U4.14 26.97,85.06 37.87,74.17 38.48,73.56 41.52,73.56 45.45,77.49 74.28,77.49 74.73,77.93 85.5,77.93 94.02,69.41 105.74,69.41 U2.18
LORA_NSS: length 94.9
  Bottom w0.2: U4.15 25.54,87.06 38.64,73.96 41.35,73.96 45.28,77.89 73.98,77.89 74.42,78.33 85.67,78.33 94.19,69.81 106.94,69.81 U2.19
MB_CLOCK: length 148.1
  Top w0.2: 62.96,57.74 MB1.9 ; v1(30.16,46.8) 30.17,46.79 32.84,46.79 v1(33.92,47.87) ; v1(62.07,71.91) 61.94,71.91 MB2.9 ; MB3.9 32.27,3.86
  Bottom w0.2: v1(62.07,71.91) 62.9,71.08 v1(62.9,57.81) ; v1(33.92,47.87) 34.71,48.67 40.46,48.67 41.27,49.47 62.47,49.47 64.96,51.97 64.96,51.99 65.76,52.78 65.76,54.83 MB1.9 65.82,56.43 71.57,62.18 83.67,62.18 85.13,60.72 U3.8 ; MB3.9 29.76,7.12 29.76,35.49 25.71,39.54 25.71,44.04 28.43,46.76 30.12,46.76 v1(30.16,46.8)
MB_CLOCK_H: length 10.9
  Bottom w0.2: U2.12 100.21,60.72 97.27,60.72 97.27,60.72 U3.1
MB_CLOCK_L: length 11.6
  Bottom w0.2: U3.2 97.63,60.21 97.63,60.22 101.3,60.22 U2.11 ; U2.11 102.43,61.9 ; U2.11 102.98,61.89
MB_SCL: length 163
  Top w0.2: v1(63.78,71.08) 63.86,71.16 63.86,74.23 64.95,75.32 64.95,79.06 MB2.13 64.64,79.08 ; 75.98,54.65 MB1.13 74.73,56.14 66.23,56.14 63.8,58.57 63.8,59.18 v1(63.85,59.22) ; MB3.13 44.47,5.17 46.45,5.17 46.72,5.44 49.67,5.44 51.28,7.05 51.28,7.63 51.31,7.63 55.56,11.87 v1(55.56,14.18) ; v1(56.73,18.34) 56.73,19.17 56.93,19.37 56.93,24.7 v1(56.46,25.17)
  Bottom w0.2: v1(63.78,71.08) 63.86,71 63.86,59.24 v1(63.85,59.22) ; v1(55.56,14.18) 55.56,17.17 v1(56.73,18.34) ; 104.94,55.75 U2.6 103.13,55.86 100.72,58.27 96.2,58.27 94.94,57.01 86.49,57.01 84.1,59.39 77.04,59.39 R13.1 76.27,58.36 75.98,58.07 MB1.13 76.15,54.89 78.43,52.62 81.91,52.62 85.12,49.4 85.12,38.52 83.57,36.97 60.99,36.97 60.19,36.16 58.95,36.16 55.81,33.03 55.81,25.82 v1(56.46,25.17)
MB_SDA: length 157
  Top w0.2: v1(64.56,59.99) 64.56,58.57 66.59,56.54 76.87,56.54 MB1.14 ; v1(57.33,18.92) 57.33,25.3 v1(56.61,26.02) ; MB3.14 46.89,5.04 49.84,5.04 51.68,6.88 51.68,7.43 56.46,12.21 v1(56.46,13.9) ; MB2.14 67.33,77.13 64.46,74.26 v1(64.46,71.78)
  Bottom w0.2: v1(56.46,13.9) 56.46,17.05 57.33,17.92 v1(57.33,18.92) ; 105.17,54.48 U2.5 105.32,54.63 103.78,54.63 100.55,57.87 96.36,57.87 94.66,56.17 80.14,56.17 R12.1 79.33,56.53 78.24,55.44 78.24,54.99 78.47,54.76 ; v1(64.46,71.78) 64.46,71.77 64.46,60.09 v1(64.56,59.99) ; v1(56.61,26.02) 56.21,26.42 56.21,26.91 56.22,26.91 56.22,32.87 59.11,35.76 60.46,35.76 61.27,36.57 83.73,36.57 85.63,38.46 85.63,49.47 81.93,53.17 79.99,53.17 78.52,54.64 MB1.14
MOON_LED_ARRAY: length 53.6
  Top w0.2: v1(60.1,53.62) 61.11,54.62 63.77,54.62 65.48,52.91 v1(67.37,52.91)
  Bottom w0.2: v1(60.1,53.62) 60.1,54.24 60.07,54.27 ; U2.9 103.45,59.17 95.96,59.17 94.62,57.82 94.31,57.82 87.24,57.81 86.82,57.81 83.25,61.38 72.51,61.38 69.59,58.45 69.59,54.17 68.32,52.91 v1(67.37,52.91)
NAV_BUTTON_CENTER: length 93.7
  Top w0.2: v1(37.1,32.37) 38.03,33.3 S1.2 38.68,33.3 39.96,34.59 39.96,35.64 v1(40.25,35.93)
  Bottom w0.2: 36.46,30.24 36.46,31.67 37.1,32.3 v1(37.1,32.37) ; 104.78,57.06 104.56,56.84 102.71,56.84 100.88,58.67 96.03,58.67 94.79,57.42 94.31,57.42 87.41,57.41 86.66,57.41 83.09,60.98 74.38,60.98 72.15,58.75 72.15,54.1 70.21,52.17 66.46,52.17 62.97,48.67 47.09,48.67 46.58,48.17 42.98,48.17 40.46,45.65 40.46,36.14 v1(40.25,35.93)
RXD0: length 143.4
  Top w0.2: 85.89,76.26 85.89,76.61 v1(88.14,78.86) ; 85.89,76.26 85.94,76.31 ; 85.89,76.26 85.89,75.78 85.22,75.11 v1(85.03,75.11)
  Bottom w0.2: J2.2 22.78,63.51 22.78,68.35 25.56,71.13 43.23,71.13 47.18,75.09 85,75.09 v1(85.03,75.11) 85.01,75.13 ; v1(88.14,78.86) 89.31,80.03 89.57,80.14 89.8,80.22 90.06,80.31 90.27,80.39 90.65,80.51 113.86,87.62 114.76,87.91 114.76,87.91 114.8,87.91 119.49,86.68 128.96,77.2 128.96,65.99 123.03,60.06 U2.36
TCK: length 147.8
  Top w0.2: v1(87.84,71.24) 88.59,71.98 88.59,75.19 88.67,75.27 88.7,75.27 90.22,76.8
  Bottom w0.2: J3.4 32.78,39.67 36.48,39.67 37.62,40.81 37.62,44.6 36.63,45.58 34.45,45.58 33.3,46.74 33.3,48.11 34.31,49.12 40.33,49.12 41.08,49.87 62.3,49.87 64.47,52.04 64.47,55.65 77.74,68.92 85.25,68.92 87.56,71.24 v1(87.84,71.24) ; U2.32 120.93,64.89 123.2,67.16 123.2,67.16 126.96,70.92 126.96,76.52 118.5,84.98 114.67,85.96 113.76,85.7 103,82.34 92.71,79.08 91.76,78.74 v1(90.22,76.73)
TDI: length 149.2
  Top w0.2: 87.01,75.2 87.01,75.9 89.02,77.91 89.2,77.91 ; 87.01,75.29 87.01,72.67 v1(86.95,72.61)
  Bottom w0.2: U2.34 121.99,62.47 127.96,68.45 127.96,77.02 119.03,85.95 114.77,87.04 113.8,86.72 90.96,79.65 90.95,79.65 90.66,79.56 90.43,79.32 v1(89.2,77.9) ; 45.11,50.77 45.12,50.77 62.06,50.77 63.67,52.37 63.67,55.99 77.4,69.72 84.92,69.72 87.06,71.87 87.06,72.5 v1(86.95,72.61) ; J3.8 35.24,40.17 33.14,40.17 32.5,40.81 32.5,45.19 31.56,46.13 31.56,47.61 33.87,49.92 40,49.92 40.85,50.78 40.86,50.77 45.41,50.77
TDO: length 140.6
  Top w0.2: v1(90.26,77.96) 87.7,75.4 87.7,72.06 v1(87.66,72.01)
  Bottom w0.2: v1(87.66,72.01) 87.66,71.9 85.08,69.32 77.58,69.32 64.07,55.81 64.07,52.21 62.14,50.27 40.91,50.27 40.16,49.52 34.03,49.52 32.9,48.39 32.9,46.57 34.91,44.56 34.91,42.78 J3.6 ; U2.33 121.33,63.68 127.46,69.82 127.46,76.82 118.8,85.48 114.75,86.5 113.75,86.19 91.34,79.13 91.08,79.03 v1(90.26,77.96)
TMS: length 146.9
  Top w0.2: v1(89.09,78.91) 88.85,78.67 88.85,78.65 88.04,77.84 88.04,77.84 86.29,76.09 86.29,73.26 v1(86.28,73.25)
  Bottom w0.2: 121.53,61.21 U2.35 122.38,61.27 128.46,67.35 128.46,77.14 119.29,86.32 116.01,87.18 114.77,87.48 113.63,87.08 91.01,80.08 90.79,80.08 89.72,79.7 v1(89.09,78.91) ; J3.2 29.97,42.92 29.97,45.11 31.16,46.3 31.16,47.78 33.7,50.32 39.83,50.32 40.69,51.18 61.91,51.18 63.27,52.54 63.27,56.15 77.28,70.17 84.78,70.17 86.28,71.67 v1(86.28,73.25)
TXD0: length 146.8
  Top w0.2: v1(88.05,79.68) 85.43,77.06 85.43,76.64 v1(84.52,75.73)
  Bottom w0.2: J2.3 21.99,63.68 21.99,68.13 25.39,71.53 42.73,71.53 46.68,75.49 84.27,75.49 v1(84.52,75.73) ; 122.21,59.01 U2.37 124.08,58.85 129.46,64.23 129.46,77.44 126.98,79.92 126.96,79.92 126.6,80.3 120.09,86.93 114.77,88.33 113.77,88.04 88.79,80.42 v1(88.05,79.68)
USB_N: length 4.1
  Bottom w0.2: U2.13 99.69,64.31 R25.1 C13.1
USB_P: length 4.3
  Bottom w0.2: 98.8,67.18 98.74,67.24 ; U2.14 R24.1 C12.1
Net-(C7-Pad1): length 11.2
  Bottom w0.2: C7.1 85.89,54.6 96.51,54.6 R14.1
Net-(C9-Pad1): length 11.5
  Bottom w0.2: C9.1 91.87,67.33 83.41,67.33 ; R23.1 83.41,67.34
Net-(D1-DOUT): length 18.3
  Top w0.2: v1(84.34,45.19) 85.91,45.19 89.56,41.54 v1(89.56,41.36)
  Bottom w0.2: D1.3 89.3,41.1 v1(89.56,41.36) ; D2.1 74.98,44.26 75.88,45.16 76.5,45.16 76.51,45.17 84.31,45.17 v1(84.34,45.19)
Net-(D2-DOUT): length 17.5
  Bottom w0.2: D3.1 61.79,45.17 69.46,45.17 73.15,41.48 D2.3
Net-(D3-DOUT): length 11.6
  Top w0.2: v1(59.47,36.76) 59.47,36.7 58.42,35.64 58.42,33.08 v1(59.32,32.17)
  Bottom w0.2: D4.1 59.47,32.03 v1(59.32,32.17) ; D3.3 59.54,41.1 58.66,40.22 58.66,38.97 59.47,38.16 v1(59.47,36.76)
Net-(D4-DOUT): length 19.2
  Bottom w0.2: D5.1 73.41,32.18 72.24,31.01 72.24,28.92 70.56,27.24 70.56,27.23 70.49,27.17 63.36,27.17 60.64,29.89 D4.3
Net-(D5-DOUT): length 18.8
  Bottom w0.2: D5.3 76.09,30.04 79.46,26.67 84.46,26.67 86.37,28.58 86.37,30.87 87.67,32.17 88.41,32.17 D6.1
Net-(D6-DOUT): length 10.7
  Bottom w0.2: D7.1 90.39,22.61 90.39,28.34 89.27,29.45 89.05,29.45 D6.3
Net-(D7-DOUT): length 16.7
  Bottom w0.2: D8.1 76.99,23.02 84.15,23.02 85.61,21.56 85.64,21.56 86.56,20.64 86.56,20.19 88.1,18.65 D7.3
Net-(D8-DOUT): length 17.7
  Bottom w0.2: D9.1 62.37,23.16 69.25,23.16 73.68,18.73 D8.3
Net-(D10-DIN): length 10.6
  Top w0.2: v1(59.46,14.17) 60.14,13.49 60.14,10.8 v1(60.15,10.79)
  Bottom w0.2: v1(60.15,10.79) 60.15,9.8 D10.1 ; v1(59.46,14.17) 59.46,15.82 58.96,16.32 58.96,17.93 59.71,18.68 D9.3 60.6,18.68
Net-(D10-DOUT): length 18
  Bottom w0.2: D10.3 60.67,7.61 63.31,4.97 69.27,4.97 74.23,9.94 D11.1
Net-(D11-DOUT): length 18.2
  Bottom w0.2: D12.1 87.57,10 86.55,8.97 86.55,6.9 84.31,4.67 78.46,4.67 75.33,7.8 D11.3
Net-(D12-DOUT): length 42.6
  Bottom w0.2: 53.91,10.77 D13.1 54.68,11.55 56.08,11.55 58.59,9.04 58.59,6.74 59.75,5.58 61.7,5.58 62.71,4.57 69.93,4.57 70.96,5.6 75.96,5.6 77.3,4.27 84.64,4.27 88.24,7.86 D12.3
Net-(D14-DOUT): length 17.1
  Bottom w0.2: 61.16,70.55 D15.1 62.46,69.25 62.46,59.32 60.55,57.41 60.55,56.57 D14.3
Net-(D15-DOUT): length 27.3
  Bottom w0.2: D16.1 37.52,70.73 43.39,70.73 47.33,74.67 55.76,74.67 58.22,72.21 58.95,72.21 D15.3
Net-(D16-DOUT): length 12.8
  Bottom w0.2: D16.3 35.45,66.23 35.45,55.63 36.32,54.76 D17.1
Net-(D17-DOUT): length 15.6
  Bottom w0.2: D17.3 38.31,53.52 38.91,53.52 40.77,51.67 46.46,51.67 47.75,52.95 47.75,55.44 D18.1
